# Altium PCB 10515.0500_Display_System（6拼版）_V1.0_20200907.PcbDoc (part 6 of 13) (continued)
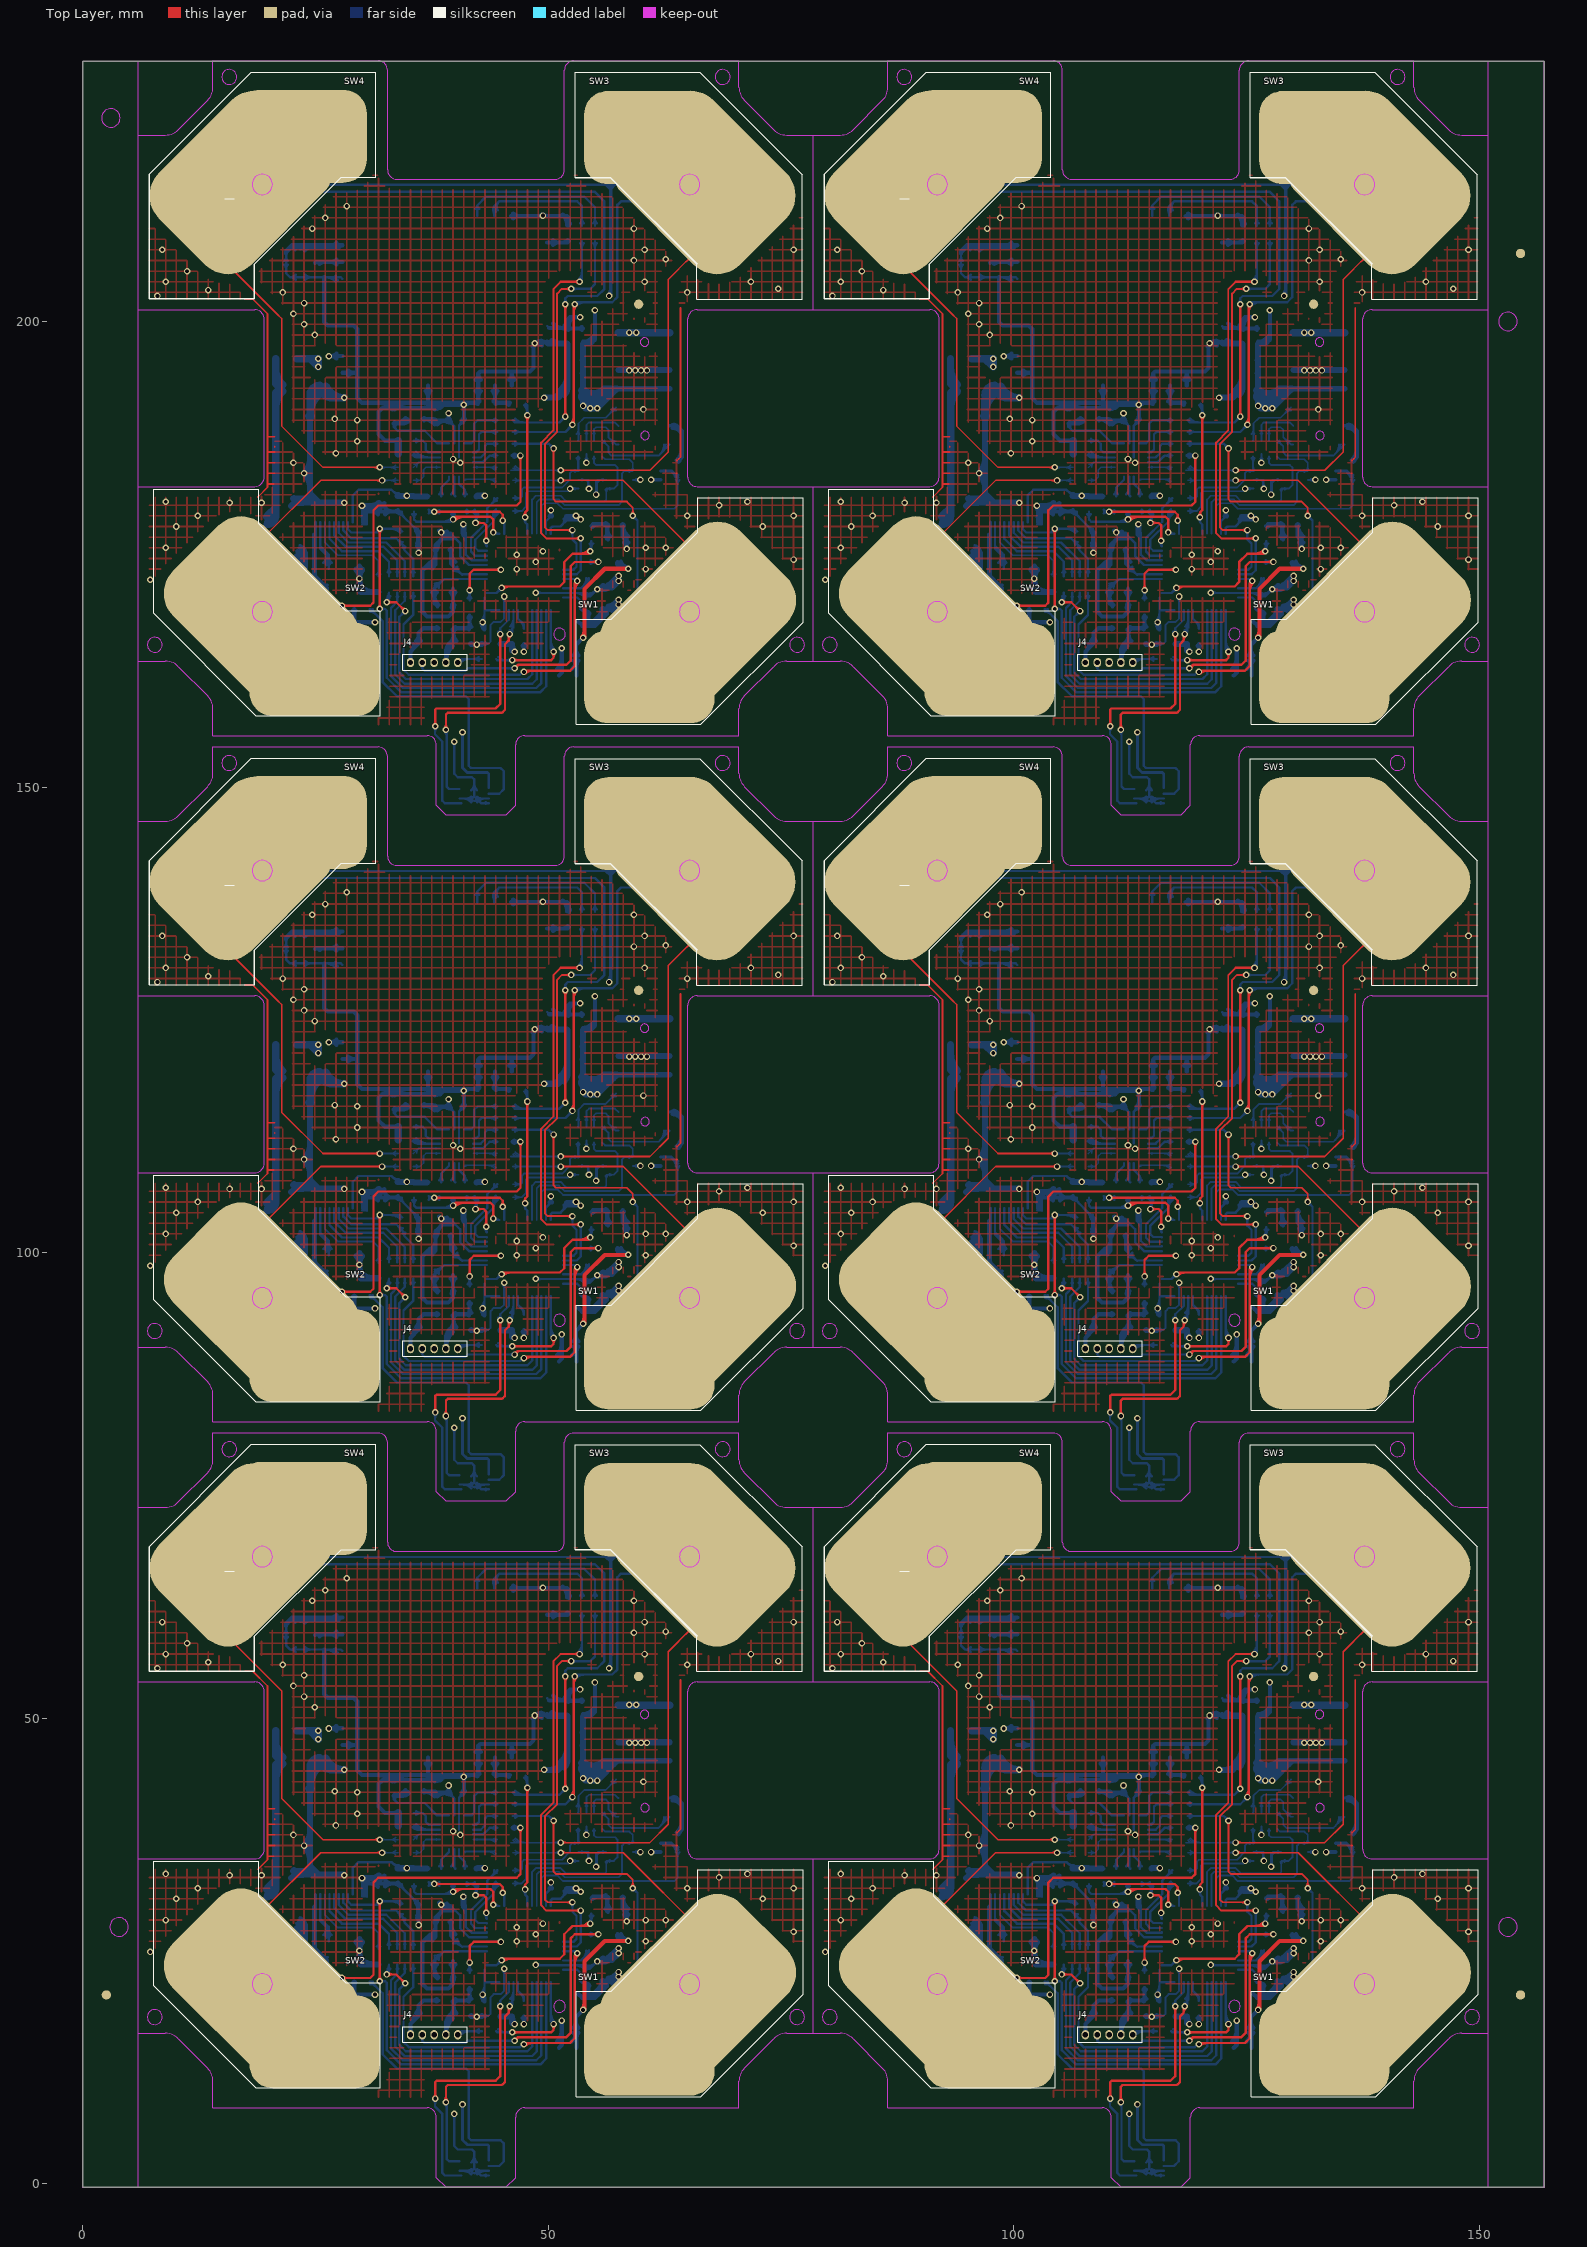
[diagram p0: Top Layer view]
## Nets (pads, with @x,y where several pads share a name; then routed paths per layer and width w, separated by ;. In a path a pad name is that pad's centre, name@x,y a point inside that pad or via, vN(x,y) a via of type N, cw(c..) or ccw(c..) an arc to the next point about the centre after c; other vN are vias at no path point) (continued)
35.658,99.358 ; 35.34,170.51 cw(c34.956,170.126) 35.499,170.126 cw(c36.042,170.126) 35.658,170.51 ; 35.34,173.058 ccw(c34.956,173.442) 35.499,173.442 ccw(c36.042,173.442) 35.658,173.058 ; 35.397,31.957 cw(c34.917,31.477) 35.596,31.477 cw(c36.276,31.477) 35.795,31.957 ; 35.397,105.657 cw(c34.917,105.177) 35.596,105.177 cw(c36.276,105.177) 35.795,105.657 ; 35.397,179.357 cw(c34.917,178.877) 35.596,178.877 cw(c36.276,178.877) 35.795,179.357 ; 35.454,38.276 ccw(c36.072,38.894) 36.072,38.021 ; 35.454,111.976 ccw(c36.072,112.594) 36.072,111.721 ; 35.454,185.676 ccw(c36.072,186.294) 36.072,185.421 ; 35.495,30.644 cw(c34.95,30.099) 35.721,30.099 ; 35.495,104.344 cw(c34.95,103.799) 35.721,103.799 ; 35.495,178.044 cw(c34.95,177.499) 35.721,177.499 ; 35.499,23.519 35.499,21.112 34.475,20.088 34.475,15.218 35.019,14.674 46.968,14.674 v1@47.407,15.113 ; 35.499,97.219 35.499,94.812 34.475,93.788 34.475,88.918 35.019,88.374 46.968,88.374 v1@47.407,88.813 ; 35.499,170.919 35.499,168.512 34.475,167.488 34.475,162.618 35.019,162.074 46.968,162.074 v1@47.407,162.513 ; 35.571,38.431 35.981,38.021 38.39,38.021 ; 35.571,39.828 36.535,39.828 36.866,39.497 36.866,38.862 37.158,38.57 38.39,38.57 ; 35.571,112.131 35.981,111.721 38.39,111.721 ; 35.571,113.528 36.535,113.528 36.866,113.197 36.866,112.562 37.158,112.27 38.39,112.27 ; 35.571,185.831 35.981,185.421 38.39,185.421 ; 35.571,187.228 36.535,187.228 36.866,186.897 36.866,186.262 37.158,185.97 38.39,185.97 ; 35.587,30.552 ccw(c36.003,30.968) 36.003,30.38 ; 35.587,104.252 ccw(c36.003,104.668) 36.003,104.08 ; 35.587,177.952 ccw(c36.003,178.368) 36.003,177.78 ; 35.596,32.194 35.596,31.369 35.85,31.115 39.533,31.115 v1(39.787,31.369) 39.787,32.194 ; 35.596,105.894 35.596,105.069 35.85,104.815 39.533,104.815 v1(39.787,105.069) 39.787,105.894 ; 35.596,179.594 35.596,178.769 35.85,178.515 39.533,178.515 v1(39.787,178.769) 39.787,179.594 ; 35.631,38.453 ccw(c36.676,39.498) 36.676,38.021 ; 35.631,112.153 ccw(c36.676,113.198) 36.676,111.721 ; 35.631,185.853 ccw(c36.676,186.898) 36.676,185.421 ; 35.808,38.63 ccw(c37.279,40.101) 37.279,38.021 ; 35.808,39.629 cw(c36.288,39.149) 36.288,39.828 cw(c36.288,40.507) 35.808,40.027 ; 35.808,112.33 ccw(c37.279,113.801) 37.279,111.721 ; 35.808,113.329 cw(c36.288,112.849) 36.288,113.528 cw(c36.288,114.207) 35.808,113.727 ; 35.808,186.03 ccw(c37.279,187.501) 37.279,185.421 ; 35.808,187.029 cw(c36.288,186.549) 36.288,187.228 cw(c36.288,187.907) 35.808,187.427 ; 36.041,28.69 36.079,28.652 ; 36.041,102.39 36.079,102.352 ; 36.041,176.09 36.079,176.052 ; 36.325,15.678 cw(c36.102,15.367) 36.485,15.367 ; 36.325,89.378 cw(c36.102,89.067) 36.485,89.067 ; 36.325,163.078 cw(c36.102,162.767) 36.485,162.767 ; 36.485,16.002 36.485,15.367 ; 36.485,89.702 36.485,89.067 ; 36.485,163.402 36.485,162.767 ; 36.645,15.678 ccw(c36.868,15.367) 36.485,15.367 ; 36.645,89.378 ccw(c36.868,89.067) 36.485,89.067 ; 36.645,163.078 ccw(c36.868,162.767) 36.485,162.767 ; 36.955,33.884 37.209,33.884 37.247,33.846 ; 36.955,107.584 37.209,107.584 37.247,107.545 ; 36.955,181.284 37.209,181.284 37.247,181.245 ; 37.192,31.996 cw(c37.673,31.515) 37.673,32.194 cw(c37.673,32.874) 37.192,32.393 ; 37.192,105.696 cw(c37.673,105.215) 37.673,105.894 cw(c37.673,106.574) 37.192,106.093 ; 37.192,179.396 cw(c37.673,178.915) 37.673,179.594 cw(c37.673,180.274) 37.192,179.793 ; v1@37.589,32.043 ccw(c37.247,31.734) 37.247,32.194 ; v1@37.589,32.346 cw(c37.247,32.655) 37.247,32.194 ; v1@37.589,105.743 ccw(c37.247,105.434) 37.247,105.894 ; v1@37.589,106.046 cw(c37.247,106.355) 37.247,105.894 ; v1@37.589,179.443 ccw(c37.247,179.134) 37.247,179.594 ; v1@37.589,179.746 cw(c37.247,180.055) 37.247,179.594 ; v1@37.723,8.985 cw(c37.404,8.666) 37.855,8.666 ; v1@37.723,82.685 cw(c37.404,82.366) 37.855,82.366 ; v1@37.723,156.385 cw(c37.404,156.066) 37.855,156.066 ; 37.787,23.916 38.845,24.973 43.424,24.973 ; 37.787,24.241 ccw(c37.787,25.026) 38.342,24.471 ; 37.787,24.491 ccw(c37.787,25.879) 38.769,24.898 ; 37.787,97.616 38.845,98.673 43.424,98.673 ; 37.787,97.941 ccw(c37.787,98.726) 38.342,98.171 ; 37.787,98.191 ccw(c37.787,99.579) 38.769,98.598 ; 37.787,171.316 38.845,172.373 43.424,172.373 ; 37.787,171.641 ccw(c37.787,172.426) 38.342,171.871 ; 37.787,171.891 ccw(c37.787,173.279) 38.769,172.298 ; 37.855,8.536 cw(c38.49,8.536) v1@38.041,8.985 ; v1@37.855,9.144 37.855,8.282 38.644,7.493 38.644,1.143 38.898,0.889 40.676,0.889 ; 37.855,82.236 cw(c38.49,82.236) v1@38.041,82.685 ; v1@37.855,82.844 37.855,81.982 38.644,81.193 38.644,74.843 38.898,74.589 40.676,74.589 ; 37.855,155.936 cw(c38.49,155.936) v1@38.041,156.385 ; v1@37.855,156.544 37.855,155.682 38.644,154.893 38.644,148.543 38.898,148.289 40.676,148.289 ; 37.882,28.269 37.908,28.244 ; 37.882,101.969 37.908,101.944 ; 37.882,175.669 37.908,175.644 ; v1@37.914,32.035 cw(c38.298,31.651) 38.298,32.194 cw(c38.298,32.738) v1@37.914,32.354 ; v1@37.914,105.735 cw(c38.298,105.351) 38.298,105.894 cw(c38.298,106.438) v1@37.914,106.054 ; v1@37.914,179.435 cw(c38.298,179.051) 38.298,179.594 cw(c38.298,180.138) v1@37.914,179.754 ; 38.237,24.041 cw(c39.022,24.041) 38.467,24.596 ; 38.237,97.741 cw(c39.022,97.741) 38.467,98.296 ; 38.237,171.441 cw(c39.022,171.441) 38.467,171.996 ; 38.309,32.005 ccw(c37.882,31.619) v1@37.882,32.194 ; 38.309,32.384 cw(c37.882,32.77) v1@37.882,32.194 ; 38.309,105.705 ccw(c37.882,105.319) v1@37.882,105.894 ; 38.309,106.084 cw(c37.882,106.47) v1@37.882,105.894 ; 38.309,179.405 ccw(c37.882,179.019) v1@37.882,179.594 ; 38.309,179.784 cw(c37.882,180.17) v1@37.882,179.594 ; 38.318,34.083 ccw(c37.838,34.563) 38.517,34.563 ccw(c39.197,34.563) 38.716,34.083 ; 38.318,107.783 ccw(c37.838,108.263) 38.517,108.263 ccw(c39.197,108.263) 38.716,107.783 ; 38.318,181.483 ccw(c37.838,181.963) 38.517,181.963 ccw(c39.197,181.963) 38.716,181.483 ; 38.517,33.846 38.517,34.798 39.356,35.637 39.356,35.941 ; 38.517,107.545 38.517,108.498 39.356,109.337 39.356,109.641 ; 38.517,181.245 38.517,182.198 39.356,183.037 39.356,183.341 ; 38.631,31.115 ccw(c38.631,32.525) 39.628,31.528 ccw(c39.244,31.912) 39.787,31.912 ccw(c40.33,31.912) v1@39.946,31.528 ; 38.631,104.815 ccw(c38.631,106.225) 39.628,105.228 ccw(c39.244,105.612) 39.787,105.612 ccw(c40.33,105.612) v1@39.946,105.228 ; 38.631,178.515 ccw(c38.631,179.925) 39.628,178.928 ccw(c39.244,179.312) 39.787,179.312 ccw(c40.33,179.312) v1@39.946,178.928 ; 38.644,32.194 v1@37.882,32.194 ; 38.644,105.894 v1@37.882,105.894 ; 38.644,179.594 v1@37.882,179.594 ; v1@38.866,8.604 cw(c38.315,8.053) 39.094,8.053 ; v1@38.866,82.304 cw(c38.315,81.753) 39.094,81.753 ; v1@38.866,156.004 cw(c38.315,155.453) 39.094,155.453 ; 39.025,17.377 39.682,18.034 39.851,18.202 ; 39.025,91.077 39.682,91.734 39.851,91.902 ; 39.025,164.777 39.682,165.434 39.851,165.602 ; 39.094,8.386 cw(c39.402,8.386) v1@39.184,8.604 ; v1@39.094,8.763 39.094,2.667 39.348,2.413 40.476,2.413 ; 39.094,82.086 cw(c39.402,82.086) v1@39.184,82.304 ; v1@39.094,82.463 39.094,76.367 39.348,76.113 40.476,76.113 ; 39.094,155.786 cw(c39.402,155.786) v1@39.184,156.004 ; v1@39.094,156.163 39.094,150.067 39.348,149.813 40.476,149.813 ; 39.204,29.972 39.406,29.972 40.549,28.829 40.549,27.432 41.508,26.473 43.424,26.473 ; 39.204,103.672 39.406,103.672 40.549,102.529 40.549,101.132 41.508,100.173 43.424,100.173 ; 39.204,177.372 39.406,177.372 40.549,176.229 40.549,174.832 41.508,173.873 43.424,173.873 ; 39.234,31.115 ccw(c39.234,31.922) v1@39.805,31.351 ; 39.234,104.815 ccw(c39.234,105.622) v1@39.805,105.051 ; 39.234,178.515 ccw(c39.234,179.322) v1@39.805,178.751 ; 39.292,29.641 cw(c39.292,28.565) 40.053,29.325 ; 39.292,103.341 cw(c39.292,102.265) 40.053,103.025 ; 39.292,177.041 cw(c39.292,175.965) 40.053,176.725 ; 39.305,41.987 39.914,41.377 39.914,39.56 ; 39.305,115.687 39.914,115.077 39.914,113.26 ; 39.305,189.387 39.914,188.777 39.914,186.96 ; 39.343,41.706 cw(c39.343,41.118) 39.758,41.534 ; 39.343,115.406 cw(c39.343,114.818) 39.758,115.234 ; 39.343,189.106 cw(c39.343,188.518) 39.758,188.934 ; 39.573,29.922 ccw(c39.856,29.922) 39.656,29.722 ; 39.573,103.622 ccw(c39.856,103.622) 39.656,103.422 ; 39.573,177.322 ccw(c39.856,177.322) 39.656,177.122 ; 39.588,31.957 cw(c39.108,31.477) 39.787,31.477 cw(c40.467,31.477) 39.986,31.957 ; 39.588,34.083 ccw(c38.801,34.87) 39.914,34.87 ; 39.588,105.657 cw(c39.108,105.177) 39.787,105.177 cw(c40.467,105.177) 39.986,105.657 ; 39.588,107.783 ccw(c38.801,108.57) 39.914,108.57 ; 39.588,179.357 cw(c39.108,178.877) 39.787,178.877 cw(c40.467,178.877) 39.986,179.357 ; 39.588,181.483 ccw(c38.801,182.27) 39.914,182.27 ; 39.624,41.987 ccw(c40.396,41.987) 39.85,41.442 ; 39.624,115.687 ccw(c40.396,115.687) 39.85,115.142 ; 39.624,189.387 ccw(c40.396,189.387) 39.85,188.842 ; v1@39.755,7.334 cw(c39.371,6.95) 39.914,6.95 cw(c40.457,6.95) v1@40.073,7.334 ; v1@39.755,81.034 cw(c39.371,80.65) 39.914,80.65 cw(c40.457,80.65) v1@40.073,81.034 ; v1@39.755,154.734 cw(c39.371,154.35) 39.914,154.35 cw(c40.457,154.35) v1@40.073,154.734 ; 39.762,22.048 39.787,22.073 ; 39.762,95.748 39.787,95.773 ; 39.762,169.448 39.787,169.473 ; 39.787,25.841 cw(c39.787,24.453) 40.769,25.434 ; 39.787,26.091 cw(c39.787,25.306) 40.342,25.861 ; 39.787,26.416 40.73,25.473 43.424,25.473 ; 39.787,99.541 cw(c39.787,98.153) 40.769,99.134 ; 39.787,99.791 cw(c39.787,99.006) 40.342,99.561 ; 39.787,100.116 40.73,99.173 43.424,99.173 ; 39.787,173.241 cw(c39.787,171.853) 40.769,172.834 ; 39.787,173.491 cw(c39.787,172.706) 40.342,173.261 ; 39.787,173.816 40.73,172.873 43.424,172.873 ; v1(39.914,7.493) 39.914,4.064 40.295,3.683 41.819,3.683 42.053,3.449 42.053,1.631 ; 39.914,35.941 39.914,33.972 40.041,33.846 ; v1(39.914,81.193) 39.914,77.764 40.295,77.383 41.819,77.383 42.053,77.149 42.053,75.331 ; 39.914,109.641 39.914,107.672 40.041,107.545 ; v1(39.914,154.893) 39.914,151.464 40.295,151.083 41.819,151.083 42.053,150.849 42.053,149.031 ; 39.914,183.341 39.914,181.372 40.041,181.245 ; 40.237,26.291 ccw(c41.022,26.291) 40.467,25.736 ; 40.237,99.991 ccw(c41.022,99.991) 40.467,99.436 ; 40.237,173.691 ccw(c41.022,173.691) 40.467,173.136 ; 40.295,16.002 40.676,16.383 42.899,16.383 ; 40.295,89.702 40.676,90.083 42.899,90.083 ; 40.295,163.402 40.676,163.783 42.899,163.783 ; 40.313,16.084 cw(c41.034,15.363) 41.034,16.383 ; 40.313,89.784 cw(c41.034,89.063) 41.034,90.083 ; 40.313,163.484 cw(c41.034,162.763) 41.034,163.783 ; 40.422,35.941 40.422,35.179 41.057,34.544 ; 40.422,38.036 40.422,39.56 40.422,41.454 40.956,41.987 ; 40.422,109.641 40.422,108.879 41.057,108.244 ; 40.422,111.736 40.422,113.26 40.422,115.154 40.956,115.687 ; 40.422,183.341 40.422,182.579 41.057,181.944 ; 40.422,185.436 40.422,186.96 40.422,188.854 40.956,189.387 ; 40.441,41.473 ccw(c39.969,41.945) 40.636,41.975 ; 40.441,115.173 ccw(c39.969,115.645) 40.636,115.675 ; 40.441,188.873 ccw(c39.969,189.345) 40.636,189.375 ; 40.476,1.397 41.819,1.397 42.053,1.631 ; 40.476,75.097 41.819,75.097 42.053,75.331 ; 40.476,148.797 41.819,148.797 42.053,149.031 ; 40.49,15.908 cw(c41.638,14.76) 41.638,16.383 ; 40.49,89.608 cw(c41.638,88.46) 41.638,90.083 ; 40.49,163.308 cw(c41.638,162.16) 41.638,163.783 ; 40.502,41.534 cw(c40.918,41.118) 40.918,41.706 ; 40.502,115.234 cw(c40.918,114.818) 40.918,115.406 ; 40.502,188.934 cw(c40.918,188.518) 40.918,189.106 ; 40.744,29.723 cw(c39.742,28.721) 41.159,28.721 ; 40.744,103.423 cw(c39.742,102.421) 41.159,102.421 ; 40.744,177.123 cw(c39.742,176.121) 41.159,176.121 ; 40.747,1.397 cw(c40.747,-0.025) 41.753,0.98 ; 40.747,75.097 cw(c40.747,73.675) 41.753,74.68 ; 40.747,148.797 cw(c40.747,147.375) 41.753,148.38 ; 40.862,34.087 ccw(c40.423,34.544) 41.057,34.544 ; 40.862,107.787 ccw(c40.423,108.244) 41.057,108.244 ; 40.862,181.487 ccw(c40.423,181.944) 41.057,181.944 ; 40.921,29.9 cw(c40.346,29.325) 41.159,29.325 ; 40.921,103.6 cw(c40.346,103.025) 41.159,103.025 ; 40.921,177.3 cw(c40.346,176.725) 41.159,176.725 ; 40.98,39.56 41.756,39.56 42.073,39.878 42.073,41.656 42.431,42.014 44.55,42.014 ; 40.98,113.26 41.756,113.26 42.073,113.578 42.073,115.356 42.431,115.714 44.55,115.714 ; 40.98,186.96 41.756,186.96 42.073,187.278 42.073,189.056 42.431,189.414 44.55,189.414 ; 41.057,32.194 42.327,32.194 42.327,31.115 v1(42.2,30.988) ; 41.057,33.846 41.057,34.544 ; 41.057,105.894 42.327,105.894 42.327,104.815 v1(42.2,104.688) ; 41.057,107.545 41.057,108.244 ; 41.057,179.594 42.327,179.594 42.327,178.515 v1(42.2,178.388) ; 41.057,181.245 41.057,181.944 ; 41.159,29.922 41.159,27.584 41.77,26.973 43.424,26.973 43.399,26.998 ; 41.159,103.622 41.159,101.284 41.77,100.673 43.424,100.673 43.399,100.698 ; 41.159,177.322 41.159,174.984 41.77,174.373 43.424,174.373 43.399,174.398 ; 41.252,34.087 cw(c41.691,34.544) 41.057,34.544 ; 41.252,107.787 cw(c41.691,108.244) 41.057,108.244 ; 41.252,181.487 cw(c41.691,181.944) 41.057,181.944 ; 41.256,31.996 cw(c41.737,31.515) 41.737,32.194 cw(c41.737,32.874) 41.256,32.393 ; 41.256,105.696 cw(c41.737,105.215) 41.737,105.894 cw(c41.737,106.574) 41.256,106.093 ; 41.256,179.396 cw(c41.737,178.915) 41.737,179.594 cw(c41.737,180.274) 41.256,179.793 ; 41.307,1.397 ccw(c41.307,2.027) 41.753,1.582 ; 41.307,75.097 ccw(c41.307,75.727) 41.753,75.282 ; 41.307,148.797 ccw(c41.307,149.427) 41.753,148.982 ; 41.351,1.397 cw(c41.351,0.578) 41.93,1.157 ; 41.351,75.097 cw(c41.351,74.278) 41.93,74.857 ; 41.351,148.797 cw(c41.351,147.978) 41.93,148.557 ; 41.366,22.907 ccw(c40.886,23.387) 41.565,23.387 ccw(c42.245,23.387) 41.764,22.907 ; 41.366,96.607 ccw(c40.886,97.087) 41.565,97.087 ccw(c42.245,97.087) 41.764,96.607 ; 41.366,170.307 ccw(c40.886,170.787) 41.565,170.787 ccw(c42.245,170.787) 41.764,170.307 ; v1@41.406,23.59 cw(c41.022,23.206) 41.565,23.206 cw(c42.108,23.206) v1@41.724,23.59 ; v1@41.406,97.29 cw(c41.022,96.906) 41.565,96.906 cw(c42.108,96.906) v1@41.724,97.29 ; v1@41.406,170.99 cw(c41.022,170.606) 41.565,170.606 cw(c42.108,170.606) v1@41.724,170.99 ; 41.541,19.685 41.565,19.71 41.615,19.66 ; 41.541,93.385 41.565,93.41 41.615,93.36 ; 41.541,167.085 41.565,167.11 41.615,167.06 ; 41.565,22.669 v1(41.565,23.749) ; 41.565,96.369 v1(41.565,97.449) ; 41.565,170.069 v1(41.565,171.149) ; 41.753,2.282 ccw(c41.027,3.007) 42.053,3.007 ccw(c43.079,3.007) 42.354,2.282 ; 41.753,75.982 ccw(c41.027,76.707) 42.053,76.707 ccw(c43.079,76.707) 42.354,75.982 ; 41.753,149.682 ccw(c41.027,150.407) 42.053,150.407 ccw(c43.079,150.407) 42.354,149.682 ; 41.946,37.52 43.019,37.52 43.666,38.168 43.666,38.169 43.724,38.227 44.55,38.227 ; 41.946,38.021 42.756,38.021 43.216,38.481 43.216,39.243 43.47,39.497 44.55,39.497 ; 41.946,38.57 42.29,38.57 42.581,38.862 42.581,40.513 42.835,40.767 44.55,40.767 ; 41.946,111.22 43.019,111.22 43.666,111.868 43.666,111.869 43.724,111.927 44.55,111.927 ; 41.946,111.721 42.756,111.721 43.216,112.181 43.216,112.943 43.47,113.197 44.55,113.197 ; 41.946,112.27 42.29,112.27 42.581,112.562 42.581,114.213 42.835,114.467 44.55,114.467 ; 41.946,184.92 43.019,184.92 43.666,185.568 43.666,185.569 43.724,185.627 44.55,185.627 ; 41.946,185.421 42.756,185.421 43.216,185.881 43.216,186.643 43.47,186.897 44.55,186.897 ; 41.946,185.97 42.29,185.97 42.581,186.262 42.581,187.913 42.835,188.167 44.55,188.167 ; v1@42.041,31.147 ccw(c41.35,31.838) 42.327,31.838 ; v1@42.041,104.847 ccw(c41.35,105.538) 42.327,105.538 ; v1@42.041,178.547 ccw(c41.35,179.238) 42.327,179.238 ; 42.073,1.651 42.053,1.631 ; 42.073,75.351 42.053,75.331 ; 42.073,149.051 42.053,149.031 ; 42.114,1.117 cw(c42.305,0.601) 42.694,0.99 ; 42.114,74.817 cw(c42.305,74.301) 42.694,74.69 ; 42.114,148.517 cw(c42.305,148.001) 42.694,148.39 ; 42.128,31.957 cw(c41.648,31.477) 42.327,31.477 cw(c43.007,31.477) 42.526,31.957 ; 42.128,31.996 ccw(c41.648,31.515) 41.648,32.194 ccw(c41.648,32.874) 42.128,32.393 ; 42.128,105.657 cw(c41.648,105.177) 42.327,105.177 cw(c43.007,105.177) 42.526,105.657 ; 42.128,105.696 ccw(c41.648,105.215) 41.648,105.894 ccw(c41.648,106.574) 42.128,106.093 ; 42.128,179.357 cw(c41.648,178.877) 42.327,178.877 cw(c43.007,178.877) 42.526,179.357 ; 42.128,179.396 ccw(c41.648,178.915) 41.648,179.594 ccw(c41.648,180.274) 42.128,179.793 ; 42.177,1.157 cw(c42.756,0.578) 42.756,1.397 ; 42.177,74.857 cw(c42.756,74.278) 42.756,75.097 ; 42.177,148.557 cw(c42.756,147.978) 42.756,148.797 ; 42.18,64.736 ccw(c41.994,65.095) 42.398,65.095 ; 42.18,138.436 ccw(c41.994,138.795) 42.398,138.795 ; 42.18,212.136 ccw(c41.994,212.495) 42.398,212.495 ; 42.246,38.646 ccw(c42.246,38.932) 42.449,38.729 ; 42.246,112.346 ccw(c42.246,112.632) 42.449,112.429 ; 42.246,186.046 ccw(c42.246,186.332) 42.449,186.129 ; 42.354,0.98 cw(c43.359,-0.025) 43.359,1.397 ; 42.354,1.582 ccw(c42.799,2.027) 42.799,1.397 ; 42.354,74.68 cw(c43.359,73.675) 43.359,75.097 ; 42.354,75.282 ccw(c42.799,75.727) 42.799,75.097 ; 42.354,148.38 cw(c43.359,147.375) 43.359,148.797 ; 42.354,148.982 ccw(c42.799,149.427) 42.799,148.797 ; 42.398,63.964 42.398,65.095 ; 42.398,137.664 42.398,138.795 ; 42.398,211.364 42.398,212.495 ; 42.498,43.696 42.498,43.892 ; 42.498,43.942 42.498,43.892 ; 42.498,117.396 42.498,117.592 ; 42.498,117.642 42.498,117.592 ; 42.498,191.096 42.498,191.292 ; 42.498,191.342 42.498,191.292 ; 42.535,16.184 ccw(c42.054,15.704) 42.054,16.383 ccw(c42.054,17.062) 42.535,16.582 ; 42.535,89.884 ccw(c42.054,89.404) 42.054,90.083 ccw(c42.054,90.762) 42.535,90.282 ; 42.535,163.584 ccw(c42.054,163.104) 42.054,163.783 ccw(c42.054,164.462) 42.535,163.982 ; 42.556,43.892 42.498,43.892 ; 42.556,117.592 42.498,117.592 ; 42.556,191.292 42.498,191.292 ; 42.617,64.736 cw(c42.803,65.095) 42.398,65.095 ; 42.617,138.436 cw(c42.803,138.795) 42.398,138.795 ; 42.617,212.136 cw(c42.803,212.495) 42.398,212.495 ; v1@42.803,20.479 ccw(c41.918,21.364) 43.17,21.364 ; v1@42.803,94.179 ccw(c41.918,95.064) 43.17,95.064 ; v1@42.803,167.879 ccw(c41.918,168.764) 43.17,168.764 ; 42.813,19.906 ccw(c41.953,20.766) 43.17,20.766 ; 42.813,93.606 ccw(c41.953,94.466) 43.17,94.466 ; 42.813,167.306 ccw(c41.953,168.166) 43.17,168.166 ; v1@42.941,20.096 cw(c42.918,19.845) 43.17,19.845 ; v1@42.941,93.796 cw(c42.918,93.545) 43.17,93.545 ; v1@42.941,167.496 cw(c42.918,167.245) 43.17,167.245 ; v1@42.98,20.302 ccw(c42.522,20.76) 43.17,20.76 ; v1@42.98,94.002 ccw(c42.522,94.46) 43.17,94.46 ; v1@42.98,167.702 ccw(c42.522,168.16) 43.17,168.16 ; 42.99,19.729 ccw(c42.557,20.163) v1@43.17,20.163 ; 42.99,93.429 ccw(c42.557,93.863) v1@43.17,93.863 ; 42.99,167.129 ccw(c42.557,167.563) v1@43.17,167.563 ; 43.17,19.893 43.17,21.623 ; 43.17,22.973 43.17,21.623 ; 43.17,93.593 43.17,95.323 ; 43.17,96.673 43.17,95.323 ; 43.17,167.293 43.17,169.023 ; 43.17,170.373 43.17,169.023 ; v1@43.187,28.921 cw(c42.833,28.554) 43.343,28.554 ; v1@43.187,102.621 cw(c42.833,102.254) 43.343,102.254 ; v1@43.187,176.321 cw(c42.833,175.954) 43.343,175.954 ; 43.317,0.801 ccw(c43.103,0.587) 43.103,0.889 ccw(c43.103,1.191) 43.317,0.977 ; 43.317,74.501 ccw(c43.103,74.287) 43.103,74.589 ccw(c43.103,74.891) 43.317,74.677 ; 43.317,148.201 ccw(c43.103,147.987) 43.103,148.289 ccw(c43.103,148.591) 43.317,148.377 ; 43.343,28.728 ccw(c43.678,28.728) 43.441,28.491 ; v1(43.343,29.083) 43.343,28.554 ; 43.343,102.428 ccw(c43.678,102.428) 43.441,102.191 ; v1(43.343,102.783) 43.343,102.254 ; 43.343,176.128 ccw(c43.678,176.128) 43.441,175.891 ; v1(43.343,176.483) 43.343,175.954 ; 43.424,23.473 44.465,23.473 v1(44.994,24.003) ; 43.424,25.973 v1(44.933,25.973) ; 43.424,27.473 42.159,27.473 41.716,27.916 41.716,29.363 43.47,31.116 43.47,32.575 44.55,33.655 ; 43.424,27.973 43.399,27.998 42.489,27.998 42.166,28.321 42.166,29.176 44.105,31.115 44.105,31.813 44.55,32.258 ; 43.424,28.473 43.343,28.554 ; 43.424,97.173 44.465,97.173 v1(44.994,97.703) ; 43.424,99.673 v1(44.933,99.673) ; 43.424,101.173 42.159,101.173 41.716,101.616 41.716,103.063 43.47,104.816 43.47,106.275 44.55,107.355 ; 43.424,101.673 43.399,101.698 42.489,101.698 42.166,102.021 42.166,102.876 44.105,104.815 44.105,105.513 44.55,105.958 ; 43.424,102.173 43.343,102.254 ; 43.424,170.873 44.465,170.873 v1(44.994,171.403) ; 43.424,173.373 v1(44.933,173.373) ; 43.424,174.873 42.159,174.873 41.716,175.316 41.716,176.763 43.47,178.516 43.47,179.975 44.55,181.055 ; 43.424,175.373 43.399,175.398 42.489,175.398 42.166,175.721 42.166,176.576 44.105,178.515 44.105,179.213 44.55,179.658 ; 43.424,175.873 43.343,175.954 ; v1@43.499,28.921 ccw(c43.853,28.554) 43.343,28.554 ; v1@43.499,102.621 ccw(c43.853,102.254) 43.343,102.254 ; v1@43.499,176.321 ccw(c43.853,175.954) 43.343,175.954 ; 43.63,0.889 42.795,0.889 42.287,1.397 ; 43.63,1.397 42.287,1.397 ; 43.63,74.589 42.795,74.589 42.287,75.097 ; 43.63,75.097 42.287,75.097 ; 43.63,148.289 42.795,148.289 42.287,148.797 ; 43.63,148.797 42.287,148.797 ; 44.004,33.11 ccw(c43.459,33.655) 44.23,33.655 ; 44.004,106.81 ccw(c43.459,107.355) 44.23,107.355 ; 44.004,180.51 ccw(c43.459,181.055) 44.23,181.055 ; 44.096,33.202 cw(c44.512,32.786) 44.512,33.374 ; 44.096,106.902 cw(c44.512,106.486) 44.512,107.074 ; 44.096,180.602 cw(c44.512,180.186) 44.512,180.774 ; 44.105,31.045 cw(c45.237,31.045) 44.656,32.017 ; 44.105,31.486 cw(c44.974,31.486) 44.528,32.231 ; 44.105,31.927 cw(c44.71,31.927) 44.399,32.446 ; 44.105,104.745 cw(c45.237,104.745) 44.656,105.717 ; 44.105,105.186 cw(c44.974,105.186) 44.528,105.931 ; 44.105,105.627 cw(c44.71,105.627) 44.399,106.146 ; 44.105,178.445 cw(c45.237,178.445) 44.656,179.417 ; 44.105,178.886 cw(c44.974,178.886) 44.528,179.631 ; 44.105,179.327 cw(c44.71,179.327) 44.399,179.846 ; 44.177,64.302 cw(c44.73,64.619) 44.279,65.07 ; 44.177,138.002 cw(c44.73,138.319) 44.279,138.77 ; 44.177,211.702 cw(c44.73,212.019) 44.279,212.47 ; 44.198,63.964 44.198,64.99 44.74,65.532 ; 44.198,137.664 44.198,138.69 44.74,139.232 ; 44.198,211.364 44.198,212.39 44.74,212.932 ; v1@44.254,29.823 44.774,29.823 cw(c44.774,30.383) v1@44.297,30.09 ; v1@44.254,103.523 44.774,103.523 cw(c44.774,104.083) v1@44.297,103.79 ; v1@44.254,177.223 44.774,177.223 cw(c44.774,177.783) v1@44.297,177.49 ; 44.284,43.815 44.207,43.892 44.298,43.892 44.298,43.729 ; 44.284,117.515 44.207,117.592 44.298,117.592 44.298,117.429 ; 44.284,191.215 44.207,191.292 44.298,191.292 44.298,191.129 ; 44.313,38.028 ccw(c43.832,37.548) 43.832,38.227 ccw(c43.832,38.906) 44.313,38.426 ; 44.313,39.298 ccw(c43.832,38.818) 43.832,39.497 ccw(c43.832,40.176) 44.313,39.696 ; 44.313,40.568 ccw(c43.832,40.088) 43.832,40.767 ccw(c43.832,41.446) 44.313,40.966 ; 44.313,41.815 ccw(c43.832,41.335) 43.832,42.014 ccw(c43.832,42.693) 44.313,42.213 ; 44.313,111.728 ccw(c43.832,111.248) 43.832,111.927 ccw(c43.832,112.606) 44.313,112.126 ; 44.313,112.998 ccw(c43.832,112.518) 43.832,113.197 ccw(c43.832,113.876) 44.313,113.396 ; 44.313,114.268 ccw(c43.832,113.788) 43.832,114.467 ccw(c43.832,115.146) 44.313,114.666 ; 44.313,115.515 ccw(c43.832,115.035) 43.832,115.714 ccw(c43.832,116.393) 44.313,115.913 ; 44.313,185.428 ccw(c43.832,184.948) 43.832,185.627 ccw(c43.832,186.306) 44.313,185.826 ; 44.313,186.698 ccw(c43.832,186.218) 43.832,186.897 ccw(c43.832,187.576) 44.313,187.096 ; 44.313,187.968 ccw(c43.832,187.488) 43.832,188.167 ccw(c43.832,188.846) 44.313,188.366 ; 44.313,189.215 ccw(c43.832,188.735) 43.832,189.414 ccw(c43.832,190.093) 44.313,189.613 ; 44.393,64.426 cw(c45.023,64.788) 44.509,65.301 ; 44.393,138.126 cw(c45.023,138.488) 44.509,139.001 ; 44.393,211.826 cw(c45.023,212.188) 44.509,212.701 ; 44.423,16.383 44.55,16.256 v1(46.137,16.256) ; 44.423,90.083 44.55,89.956 v1(46.137,89.956) ; 44.423,163.783 44.55,163.656 v1(46.137,163.656) ; 44.61,64.551 cw(c45.316,64.956) 44.74,65.532 ; 44.61,138.251 cw(c45.316,138.656) 44.74,139.232 ; 44.61,211.951 cw(c45.316,212.356) 44.74,212.932 ; 44.66,16.582 ccw(c45.447,17.369) 45.447,16.256 ; v1@44.66,19.314 cw(c44.576,19.035) v1@44.867,19.035 ; 44.66,90.282 ccw(c45.447,91.069) 45.447,89.956 ; v1@44.66,93.014 cw(c44.576,92.735) v1@44.867,92.735 ; 44.66,163.982 ccw(c45.447,164.769) 45.447,163.656 ; v1@44.66,166.714 cw(c44.576,166.435) v1@44.867,166.435 ; v1@44.708,19.209 ccw(c44.324,19.593) 44.867,19.593 ccw(c45.41,19.593) v1@45.026,19.209 ; v1@44.708,92.909 ccw(c44.324,93.293) 44.867,93.293 ccw(c45.41,93.293) v1@45.026,92.909 ; v1@44.708,166.609 ccw(c44.324,166.993) 44.867,166.993 ccw(c45.41,166.993) v1@45.026,166.609 ; v1@44.769,24.003 cw(c44.226,24.003) 44.61,23.619 cw(c44.994,23.235) v1@44.994,23.778 ; v1@44.769,97.703 cw(c44.226,97.703) 44.61,97.319 cw(c44.994,96.935) v1@44.994,97.478 ; v1@44.769,171.403 cw(c44.226,171.403) 44.61,171.019 cw(c44.994,170.635) v1@44.994,171.178 ; 44.774,21.623 43.17,21.623 ; v1@44.774,25.814 ccw(c44.39,25.43) 44.39,25.973 ccw(c44.39,26.517) v1@44.774,26.133 ; 44.774,95.323 43.17,95.323 ; v1@44.774,99.514 ccw(c44.39,99.13) 44.39,99.673 ccw(c44.39,100.217) v1@44.774,99.833 ; 44.774,169.023 43.17,169.023 ; v1@44.774,173.214 ccw(c44.39,172.83) 44.39,173.373 ccw(c44.39,173.917) v1@44.774,173.533 ; v1(44.867,19.05) 44.867,19.686 45.774,20.593 45.774,21.623 ; v1(44.867,92.75) 44.867,93.386 45.774,94.293 45.774,95.323 ; v1(44.867,166.45) 44.867,167.086 45.774,167.993 45.774,169.023 ; v1@45.115,22.93 cw(c44.73,22.545) 45.274,22.545 cw(c45.817,22.545) v1@45.433,22.93 ; v1@45.115,96.63 cw(c44.73,96.245) 45.274,96.245 cw(c45.817,96.245) v1@45.433,96.63 ; v1@45.115,170.33 cw(c44.73,169.945) 45.274,169.945 cw(c45.817,169.945) v1@45.433,170.33 ; v1(45.121,31.242) 45.274,31.09 45.274,29.823 ; v1(45.121,104.942) 45.274,104.79 45.274,103.523 ; v1(45.121,178.642) 45.274,178.49 45.274,177.223 ; 45.274,21.623 v1(45.274,23.089) ; 45.274,95.323 v1(45.274,96.789) ; 45.274,169.023 v1(45.274,170.489) ; v1@45.756,19.05 46.137,19.431 ; v1@45.756,92.75 46.137,93.131 ; v1@45.756,166.45 46.137,166.831 ; v1@45.832,19.126 ccw(c45.63,19.329) 45.886,19.457 ; v1@45.832,92.826 ccw(c45.63,93.029) 45.886,93.157 ; v1@45.832,166.526 ccw(c45.63,166.729) 45.886,166.857 ; v1@45.844,19.272 ccw(c45.782,19.621) 46.137,19.621 ; v1@45.844,92.972 ccw(c45.782,93.321) 46.137,93.321 ; v1@45.844,166.672 ccw(c45.782,167.021) 46.137,167.021 ; 45.87,43.892 45.947,43.815 ; 45.87,117.592 45.947,117.515 ; 45.87,191.292 45.947,191.215 ; v1@45.888,19.025 ccw(c45.835,19.323) 46.137,19.323 ; v1@45.888,92.725 ccw(c45.835,93.023) 46.137,93.023 ; v1@45.888,166.425 ccw(c45.835,166.723) 46.137,166.723 ; v1@45.917,19.211 cw(c46.137,18.991) 46.137,19.302 ; v1@45.917,92.911 cw(c46.137,92.691) 46.137,93.002 ; v1@45.917,166.611 cw(c46.137,166.391) 46.137,166.702 ; 45.938,19.859 ccw(c45.129,20.668) 46.274,20.668 ; 45.938,93.559 ccw(c45.129,94.368) 46.274,94.368 ; 45.938,167.259 ccw(c45.129,168.068) 46.274,168.068 ; v1@45.978,16.097 ccw(c45.594,15.713) 45.594,16.256 ccw(c45.594,16.799) v1@45.978,16.415 ; v1@45.978,89.797 ccw(c45.594,89.413) 45.594,89.956 ccw(c45.594,90.499) v1@45.978,90.115 ; v1@45.978,163.497 ccw(c45.594,163.113) 45.594,163.656 ccw(c45.594,164.199) v1@45.978,163.815 ; v1@46.087,19.145 cw(c46.316,19.252) 46.137,19.431 ; v1@46.087,92.845 cw(c46.316,92.952) 46.137,93.131 ; v1@46.087,166.545 cw(c46.316,166.652) 46.137,166.831 ; 46.115,19.682 ccw(c45.732,20.065) 46.274,20.065 ; 46.115,93.382 ccw(c45.732,93.765) 46.274,93.765 ; 46.115,167.082 ccw(c45.732,167.465) 46.274,167.465 ; 46.201,39.497 50.074,39.497 v1(50.582,38.989) ; 46.201,40.767 51.852,40.767 v1(52.614,41.529) ; 46.201,42.014 46.432,41.783 51.217,41.783 v1(51.852,42.418) ; 46.201,113.197 50.074,113.197 v1(50.582,112.689) ; 46.201,114.467 51.852,114.467 v1(52.614,115.229) ; 46.201,115.714 46.432,115.483 51.217,115.483 v1(51.852,116.118) ; 46.201,186.897 50.074,186.897 v1(50.582,186.389) ; 46.201,188.167 51.852,188.167 v1(52.614,188.929) ; 46.201,189.414 46.432,189.183 51.217,189.183 v1(51.852,189.818) ; v1@46.232,15.208 ccw(c45.848,14.824) 45.848,15.367 ccw(c45.848,15.91) v1@46.232,15.526 ; v1@46.232,88.908 ccw(c45.848,88.524) 45.848,89.067 ccw(c45.848,89.61) v1@46.232,89.226 ; v1@46.232,162.608 ccw(c45.848,162.224) 45.848,162.767 ccw(c45.848,163.31) v1@46.232,162.926 ; 46.261,42.036 ccw(c46.872,42.647) 46.872,41.783 ; 46.261,115.736 ccw(c46.872,116.347) 46.872,115.483 ; 46.261,189.436 ccw(c46.872,190.047) 46.872,189.183 ; 46.274,21.623 46.274,19.758 46.137,19.621 ; 46.274,95.323 46.274,93.458 46.137,93.321 ; 46.274,169.023 46.274,167.158 46.137,167.021